# Altium PCB waffling80_classyTKL-NMB.PcbDoc (part 2 of 3)
Units mm, origin at the board's own origin, x right, y up, seen from the top; angles counter-clockwise.
Board outline 346.59 x 122.85 mm, 2 copper layers (Component Side, Bottom Layer), stack 1.171 mm thick; 212 components, 134 nets, 861 pads, 195 vias.
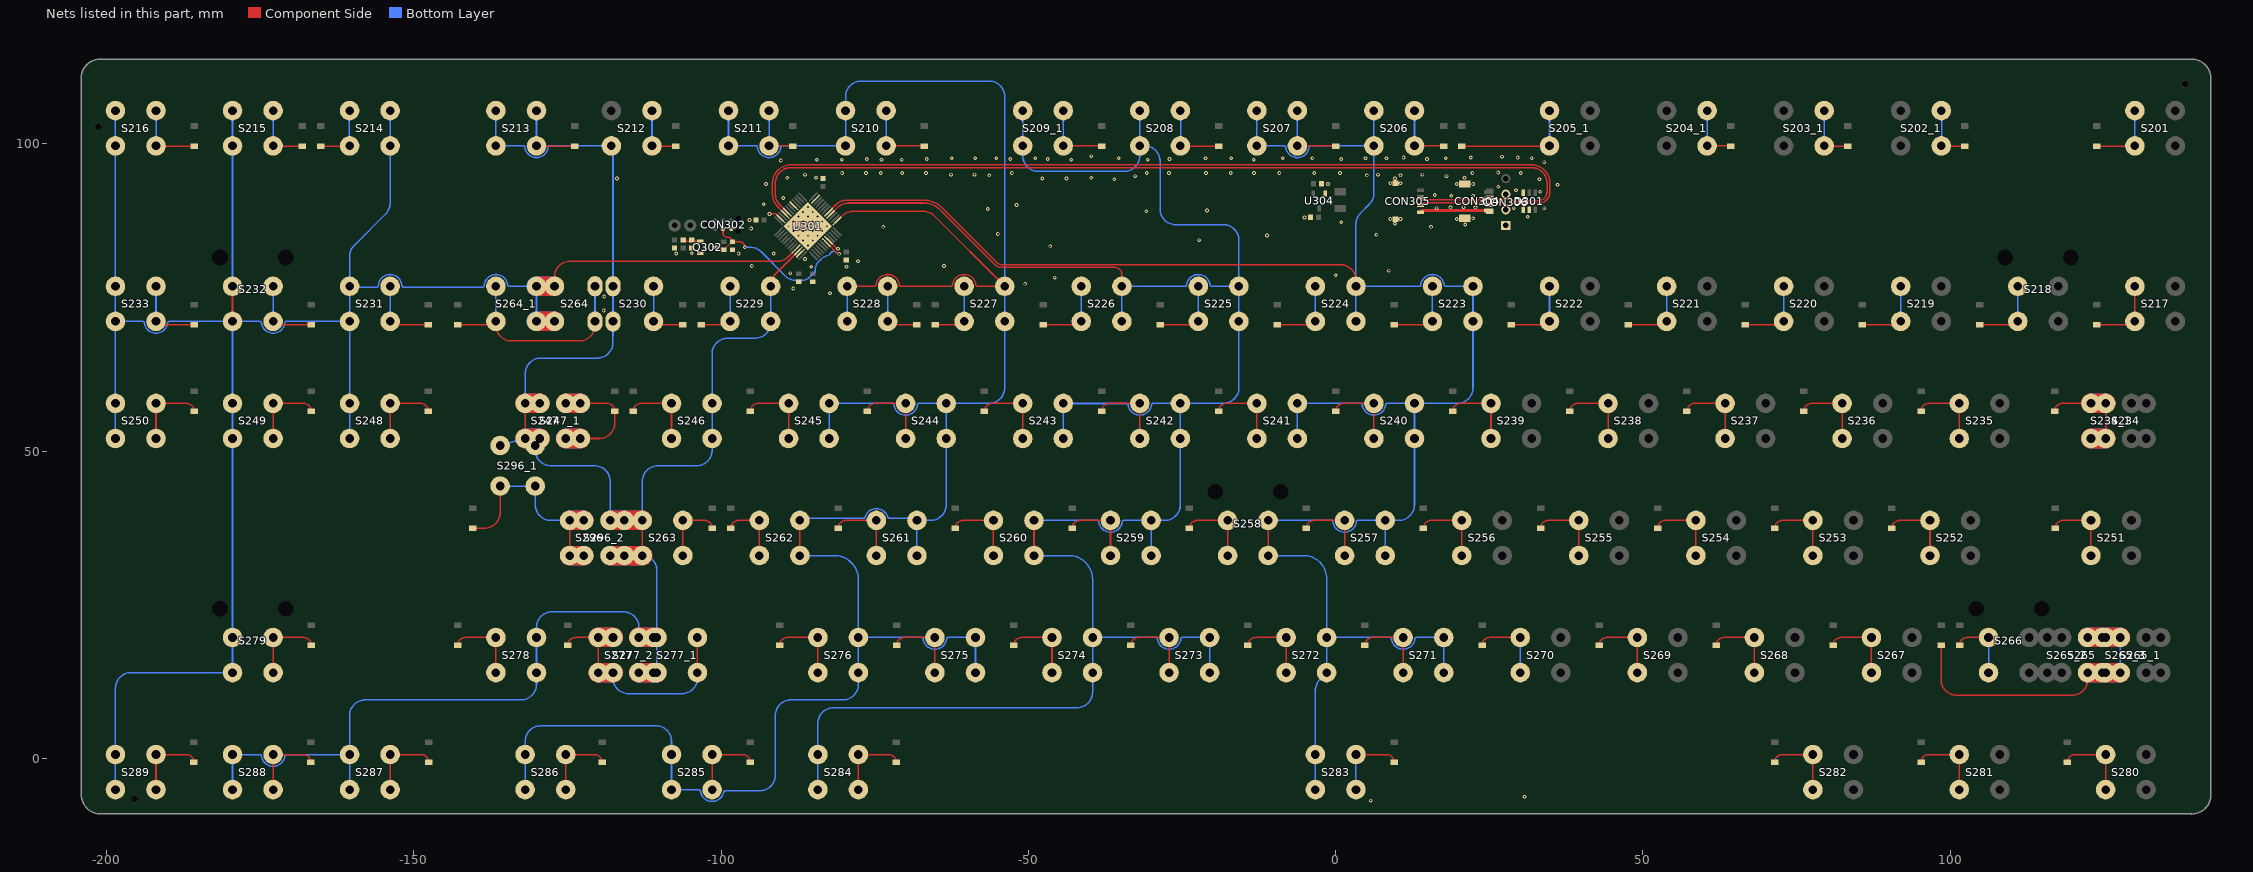
[diagram p2: the nets of this part, all layers, seen from the top]

## Via types
v1: diameter 0.6, hole 0.3, Component Side to Bottom Layer, tented both sides, 170 vias
v2: diameter 0.6, hole 0.3, Component Side to Bottom Layer, tented bottom, 25 vias

## Nets (pads, with @x,y where several pads share a name; then routed paths per layer and width w, separated by ;. In a path a pad name is that pad's centre, name@x,y a point inside that pad or via, vN(x,y) a via of type N, cw(c..) or ccw(c..) an arc to the next point about the centre after c; other vN are vias at no path point) (continued)
col4: S206.2 S207.2 S223.2 S224.2 S240.2 S241.2 S257.2 S258.2 S271.2 S272.2 S283.2 U301.17 | length 360.7
  Component Side w0.254: U301.17@-82.36,89.068 -81.331,90.097 cw(c-79.535,88.301) -79.535,90.841 -67.088,90.841 cw(c-67.088,86.485) -65.602,90.58 cw(c-67.088,86.485) -64.004,89.562 ; -64.004,89.562 cw(c-67.088,86.485) -64.002,89.56 -63.614,89.171 cw(c-63.932,88.848) -63.612,89.17 cw(c-63.932,88.848) -63.611,89.169 -63.525,89.083 -63.509,89.067 -61.045,86.602 -57.596,83.153 -55.711,81.269 -55.148,80.706 ; -55.147,80.705 ccw(c-54.31,81.534) -54.31,80.356 0.76,80.356 cw(c0.76,77.816) 3.3,77.816 S224.2@3.3,76.84 ; S258.2@-10.988,33.02 S258.2@-10.988,38.74
  Bottom Layer w0.254: S207.2@-12.825,105.414 S207.2@-12.825,99.694 -8.38,99.694 cw(c-8.381,99.44) -8.129,99.47 ccw(c-6.225,99.694) -4.321,99.47 cw(c-4.069,99.44) -4.07,99.694 S206.2@6.225,99.694 ; S258.2@-10.988,33.02 -5.224,33.02 cw(c-5.224,29.258) -1.463,29.258 S272.2@-1.463,19.69 ; S258.2@-10.988,38.74 -0.693,38.74 cw(c-0.694,38.486) -0.442,38.516 ccw(c1.462,38.74) 3.366,38.517 cw(c3.618,38.486) 3.617,38.74 S257.2@8.062,38.74 ; S241.2@-6.225,52.07 S241.2@-6.225,57.79 4.07,57.79 cw(c4.068,57.536) 4.321,57.566 ccw(c6.224,57.79) 8.128,57.566 cw(c8.381,57.536) 8.379,57.79 S240.2@12.825,57.79 ; S283.2@-3.302,-4.826 S283.2@-3.302,0.894 ; S283.2@-3.3,0.64 -3.3,11.081 cw(c-0.76,11.081) -2.556,12.877 S272.2@-1.463,13.97 S272.2@-1.463,19.69 ; S224.2@3.3,71.12 S224.2@3.3,76.84 ; S206.2@6.225,105.414 S206.2@6.225,99.694 ; S257.2@8.062,33.02 S257.2@8.062,38.74 ; 14.03,77.687 cw(c15.749,76.84) 17.653,77.063 ccw(c17.906,77.094) 17.904,76.84 S223.2@22.35,76.84 S223.2@22.35,71.12 22.35,60.33 cw(c19.81,60.33) 19.81,57.79 S240.2@12.825,57.79 ; 15.474,78.737 ccw(c15.749,76.84) 13.846,77.064 cw(c13.593,77.094) 13.595,76.84 S224.2@3.3,76.84 ; S271.2@17.587,13.97 S271.2@17.587,19.69 13.142,19.69 ccw(c13.143,19.436) 12.891,19.467 cw(c10.987,19.69) 9.083,19.466 ccw(c8.831,19.436) 8.832,19.69 S272.2@-1.463,19.69 ; S224.2@3.3,76.84 3.3,86.956 cw(c5.84,86.956) 4.043,88.752 5.481,90.19 ccw(c3.685,91.986) 6.225,91.986 S206.2@6.225,99.694 ; S257.2@8.062,38.74 10.285,38.74 ccw(c10.285,41.28) 12.825,41.28 S240.2@12.825,52.07 S240.2@12.825,57.79
col5: S208.2 S209_1.2 S225.2 S226.2 S242.2 S243.2 S259.2 S260.2 S273.2 S274.2 S284.2 U301.16 | length 379
  Component Side w0.254: U301.16@-82.007,88.714 -81.078,89.643 cw(c-79.282,87.847) -79.282,90.387 -67.088,90.387 cw(c-67.088,86.485) -65.775,90.16 cw(c-67.088,86.485) -64.326,89.241 ; -64.325,89.241 -63.932,88.848 -55.467,80.382 ccw(c-54.31,81.534) -54.31,79.902 -35.885,79.902 cw(c-35.885,78.817) -34.8,78.817 S226.2@-34.8,76.84 ; S260.2@-49.088,33.02 S260.2@-49.088,38.74
  Bottom Layer w0.254: S284.2@-84.263,-5.08 S284.2@-84.263,0.64 -84.263,5.715 cw(c-81.723,5.715) -81.723,8.255 -42.102,8.255 ccw(c-42.102,10.795) -39.562,10.795 S274.2@-39.562,13.97 S274.2@-39.562,19.69 ; S209_1.2@-50.925,105.415 S209_1.2@-50.925,99.694 -50.925,98.071 ccw(c-48.385,98.071) -48.385,95.531 -34.415,95.531 ccw(c-34.415,98.071) -31.875,98.071 S208.2@-31.875,99.694 ; S260.2@-49.088,33.02 -43.437,33.02 cw(c-43.437,29.145) -39.562,29.145 S274.2@-39.562,19.69 ; S260.2@-49.088,38.74 -38.793,38.74 cw(c-38.794,38.486) -38.542,38.516 ccw(c-36.638,38.74) -34.734,38.517 cw(c-34.482,38.486) -34.483,38.74 S259.2@-30.038,38.74 ; S243.2@-44.325,52.07 S243.2@-44.325,57.79 ccw(c-44.218,58.02) -44.219,57.766 -34.028,57.766 cw(c-34.029,57.512) -33.777,57.546 ccw(c-31.876,57.79) -29.972,57.566 cw(c-29.719,57.536) -29.721,57.79 S242.2@-25.275,57.79 ; S226.2@-34.8,71.12 S226.2@-34.8,76.84 -24.505,76.84 ccw(c-24.507,77.094) -24.254,77.064 cw(c-22.351,76.84) -23.511,78.366 ; S208.2@-31.875,105.414 S208.2@-31.875,99.694 ; S259.2@-30.038,33.02 S259.2@-30.038,38.74 ; -23.998,77.821 cw(c-22.351,76.84) -20.447,77.063 ccw(c-20.194,77.094) -20.196,76.84 S225.2@-15.75,76.84 ; S273.2@-20.513,13.97 S273.2@-20.513,19.69 -24.958,19.69 ccw(c-24.957,19.436) -25.209,19.467 cw(c-27.113,19.69) -29.017,19.466 ccw(c-29.269,19.436) -29.268,19.69 S274.2@-39.562,19.69 ; S208.2@-31.875,99.694 -31.115,99.694 cw(c-31.115,97.154) -28.575,97.154 -28.575,89.408 ccw(c-26.035,89.408) -26.035,86.868 -18.29,86.868 cw(c-18.29,84.328) -15.75,84.328 S225.2@-15.75,76.84 ; S259.2@-30.038,38.74 -27.815,38.74 ccw(c-27.815,41.28) -25.275,41.28 S242.2@-25.275,52.07 S242.2@-25.275,57.79 ; S242.2@-25.275,57.79 -18.29,57.79 ccw(c-18.29,60.33) -15.75,60.33 S225.2@-15.75,71.12 S225.2@-15.75,76.84
col6: S210.2 S211.2 S227.2 S228.2 S244.2 S245.2 S261.2 S262.2 S275.2 S276.2 S285.2 S286.2 U301.13 | length 418.9
  Component Side w0.254: S262.2@-87.188,33.355 S262.2@-87.188,38.74 ; U301.13@-80.946,87.654 -80.26,88.339 cw(c-78.605,86.684) -78.605,89.025 -67.088,89.025 cw(c-67.088,86.485) -65.292,88.281 S227.2@-53.85,76.84 -58.296,76.84 cw(c-58.294,77.094) -58.547,77.063 ccw(c-60.451,76.84) -61.064,78.656 ; S228.2@-79.501,76.84 -75.055,76.84 ccw(c-75.057,77.094) -74.804,77.064 cw(c-72.9,76.84) -71.525,78.175 ; -72.423,78.696 cw(c-72.9,76.84) -70.997,77.063 ccw(c-70.744,77.094) -70.746,76.84 -62.605,76.84 ccw(c-62.607,77.094) -62.354,77.064 cw(c-60.451,76.84) -59.986,78.7
  Bottom Layer w0.254: S286.2@-131.888,-5.08 S286.2@-131.888,0.64 -131.888,2.794 cw(c-129.348,2.794) -129.348,5.334 -110.615,5.334 cw(c-110.615,2.794) -108.075,2.794 S285.2@-108.075,0.64 S285.2@-108.075,-5.08 -103.63,-5.08 cw(c-103.631,-5.334) -103.379,-5.304 ccw(c-101.475,-5.08) -99.596,-5.462 ; -100.117,-6.433 ccw(c-101.475,-5.08) -99.596,-5.462 ; S211.2@-98.807,105.414 S211.2@-98.807,99.694 -94.124,99.694 ccw(c-92.207,99.694) -91.443,97.936 ccw(c-92.207,99.694) -90.29,99.694 S210.2@-79.757,99.694 S210.2@-79.757,105.414 -79.757,107.696 cw(c-77.217,107.696) -77.217,110.236 -56.39,110.236 cw(c-56.39,107.696) -53.85,107.696 S227.2@-53.85,76.84 S227.2@-53.85,71.12 -53.85,60.33 cw(c-56.39,60.33) -56.39,57.79 S244.2@-63.375,57.79 ; S262.2@-87.188,33.02 -81.588,33.02 cw(c-81.588,29.095) -77.663,29.095 S276.2@-77.663,19.69 ; S262.2@-87.188,38.74 cw(c-86.28,37.832) -86.28,39.116 -76.814,39.116 ccw(c-76.816,39.37) -76.573,39.295 cw(c-74.738,38.74) -72.903,39.295 ccw(c-72.66,39.37) -72.662,39.116 -68.619,39.116 cw(c-68.619,38.862) -68.44,39.042 S261.2@-68.138,38.74 ; S245.2@-82.425,52.07 S245.2@-82.425,57.79 -72.13,57.79 cw(c-72.132,57.536) -71.879,57.566 ccw(c-69.976,57.79) -68.072,57.567 cw(c-67.819,57.536) -67.821,57.79 S244.2@-63.375,57.79 ; S228.2@-79.501,71.12 S228.2@-79.501,76.84 ; S261.2@-68.138,33.02 S261.2@-68.138,38.74 ; S275.2@-58.613,13.97 S275.2@-58.613,19.69 -63.058,19.69 ccw(c-63.057,19.436) -63.309,19.467 cw(c-65.213,19.69) -67.117,19.466 ccw(c-67.369,19.436) -67.368,19.69 S276.2@-77.663,19.69 ; -99.596,-5.462 cw(c-99.348,-5.514) -99.349,-5.26 -93.726,-5.26 ccw(c-93.726,-2.72) -91.186,-2.72 -91.186,6.985 cw(c-88.646,6.985) -88.646,9.525 -80.203,9.525 ccw(c-80.203,12.065) -77.663,12.065 S276.2@-77.663,13.97 S276.2@-77.663,19.69 ; S261.2@-68.138,38.74 -65.915,38.74 ccw(c-65.915,41.28) -63.375,41.28 S244.2@-63.375,52.07 S244.2@-63.375,57.79
col7: S212.2@-117.857,99.694 S213.2 S229.2 S230.2 S246.2 S247.2 S247_1.2 S263.2 S277.2 S277_1.2 S277_2.2 S278.2 S287.2 S288.2 S296.2 S296_1.2 S296_2.2 U301.46 | length 346.7
  Component Side w0.254: S247.2@-131.888,52.07 S247.2@-131.888,57.79 ; S296.2@-118.062,38.106 S296.2@-118.062,38.74 ; S263.2@-112.838,33.02 S263.2@-112.838,38.74 ; S229.2@-91.95,76.84 -91.95,77.011 cw(c-89.41,77.011) -91.207,78.807 U301.46@-87.628,82.386
  Component Side w3.18: S247.2@-131.888,52.07 S247_1.2@-129.506,52.069 ; S247.2@-131.888,57.79 S247_1.2@-129.506,57.79 ; S296.2@-118.062,38.74 S296_2.2@-115.763,38.74 S263.2@-112.838,38.74 ; S296.2@-118.021,33.02 S296_2.2@-115.763,33.02 S263.2@-112.838,33.02 S263.2@-112.797,33.02 ; S277.2@-113.382,13.97 S277_2.2@-111,13.97 S277_1.2@-110.457,13.97 ; S277.2@-113.382,19.69 S277_2.2@-111,19.69 S277_1.2@-110.457,19.69
  Bottom Layer w0.254: S288.2@-179.513,-5.08 S288.2@-179.513,0.64 -175.067,0.64 cw(c-175.069,0.386) -174.816,0.416 ccw(c-172.912,0.64) -171.009,0.417 cw(c-170.756,0.386) -170.758,0.64 S287.2@-160.463,0.64 ; S287.2@-160.463,-5.08 S287.2@-160.463,0.64 ; S213.2@-136.65,105.414 S213.2@-136.65,99.694 -132.205,99.694 cw(c-132.206,99.44) -131.954,99.47 ccw(c-130.05,99.694) -128.146,99.47 cw(c-127.894,99.44) -127.895,99.694 S212.2@-117.857,99.694 cw(c-118.476,99.075) -117.601,99.075 S230.2@-117.601,76.84 S230.2@-117.601,71.12 -117.601,68.678 cw(c-119.604,68.678) -117.621,68.39 -117.621,67.691 cw(c-120.161,67.691) -120.161,65.151 -129.348,65.151 ccw(c-129.348,62.611) -131.888,62.611 S247.2@-131.888,57.79 ; S296_1.2@-135.972,50.93 S247.2@-131.888,52.07 ; S296_1.2@-130.252,50.93 -130.252,50.165 ccw(c-127.712,50.165) -127.712,47.625 -120.602,47.625 cw(c-120.602,45.085) -118.062,45.085 S296.2@-118.062,38.74 ; S277.2@-112.838,20.234 cw(c-113.382,20.234) S277.2@-113.382,19.69 -113.382,21.336 ccw(c-115.922,21.336) -115.922,23.876 -127.51,23.876 ccw(c-127.51,21.336) -130.05,21.336 S278.2@-130.05,19.69 S278.2@-130.05,13.97 -130.05,12.065 cw(c-132.59,12.065) -132.59,9.525 -157.923,9.525 ccw(c-157.923,6.985) -160.463,6.985 S287.2@-160.463,0.64 ; S263.2@-112.838,33.02 cw(c-112.838,30.639) -110.457,30.639 S277_1.2@-110.457,19.69 S277_1.2@-110.457,13.97 ; S263.2@-112.838,38.74 -112.838,45.085 cw(c-110.298,45.085) -110.298,47.625 -104.015,47.625 ccw(c-104.015,50.165) -101.475,50.165 S246.2@-101.475,52.07 S246.2@-101.475,57.79 -101.475,65.851 cw(c-98.935,65.851) -98.935,68.391 -94.49,68.391 ccw(c-94.49,70.931) -91.95,70.931 S229.2@-91.95,71.12 S229.2@-91.95,76.84
  Bottom Layer w3.18: S247.2@-131.805,52.069 S247_1.2@-129.527,52.069 ; S247.2@-131.785,57.79 S247_1.2@-129.506,57.79 ; S296.2@-118.062,33.02 S263.2@-112.838,33.02 ; S296.2@-118.041,38.74 S263.2@-112.838,38.74 ; S277.2@-113.382,13.97 S277_2.2@-111,13.97 S277_1.2@-110.457,13.97 ; S277.2@-113.382,19.69 S277_2.2@-111,19.69 S277_1.2@-110.457,19.69
col8: S214.2 S215.2 S216.2 S231.2 S232.2 S233.2 S248.2 S249.2 S250.2 S264.2 S264_1.2 S279.2 S289.2 U301.45 | length 378
  Component Side w0.254: S232.2@-179.513,71.12 S232.2@-179.513,76.84 ; S264.2@-127.126,76.84 -127.126,78.359 cw(c-124.586,78.359) -124.586,80.899 -90.874,80.899 ccw(c-90.874,83.439) -89.078,81.643 U301.45@-87.982,82.739
  Component Side w3.18: S264_1.2@-129.507,71.12 S264.2@-127.126,71.12 ; S264_1.2@-129.507,76.84 S264.2@-127.126,76.84
  Bottom Layer w0.254: S289.2@-198.563,-5.08 S289.2@-198.563,0.64 -198.563,11.43 cw(c-196.023,11.43) -196.023,13.97 S279.2@-179.513,13.97 S279.2@-179.513,19.69 S249.2@-179.513,52.07 S249.2@-179.513,57.79 S232.2@-179.513,71.12 ; S250.2@-198.563,52.07 S250.2@-198.563,57.79 S233.2@-198.563,71.12 ; S216.2@-198.562,99.694 S216.2@-198.562,105.414 ; S216.2@-198.563,100.652 S233.2@-198.563,76.84 S233.2@-198.563,71.12 ; S232.2@-179.513,76.84 S215.2@-179.513,100.652 ; S215.2@-179.512,99.694 S215.2@-179.512,105.414 ; S248.2@-160.463,52.07 S248.2@-160.463,57.79 S231.2@-160.463,71.12 ; -153.891,78.757 cw(c-153.862,76.84) -151.948,76.946 ccw(c-151.695,76.962) -151.696,76.708 -138.817,76.708 ccw(c-138.819,76.962) -138.565,76.947 cw(c-136.651,76.84) -138.015,78.187 ; S214.2@-153.862,99.876 S214.2@-153.862,105.596 ; S214.2@-153.862,100.652 -153.862,90.395 cw(c-156.402,90.395) -154.606,88.599 -159.719,83.486 ccw(c-157.923,81.69) -160.463,81.69 S231.2@-160.463,76.84 ; -153.211,78.643 ccw(c-153.862,76.84) -155.777,76.947 cw(c-156.03,76.962) -156.029,76.708 -160.241,76.708 cw(c-160.24,76.962) S231.2@-160.463,76.84 ; -138.423,77.572 cw(c-136.651,76.84) -134.747,77.063 ccw(c-134.495,77.094) -134.496,76.84 S264_1.2@-130.051,76.84 S264_1.2@-130.051,71.12 ; S233.2@-198.563,71.12 -194.117,71.12 cw(c-194.119,70.866) -193.866,70.896 ccw(c-191.962,71.12) -190.059,70.897 cw(c-189.806,70.866) -189.808,71.12 S232.2@-179.513,71.12 ; S232.2@-179.513,71.12 -175.067,71.12 cw(c-175.069,70.866) -174.816,70.896 ccw(c-172.912,71.12) -171.009,70.897 cw(c-170.756,70.866) -170.758,71.12 S231.2@-160.463,71.12 ; S231.2@-160.463,71.12 S231.2@-160.463,76.84
  Bottom Layer w3.18: S264_1.2@-130.051,71.12 S264.2@-127.126,71.12 ; S264_1.2@-130.051,76.84 S264.2@-127.126,76.84
D_N: CON304.2 CON305.2 CON306.2 D301.6 U301.32 | length 159.5
  Component Side w0.254: U301.32@-89.396,89.068 -89.408,89.068 -89.838,89.498 -89.856,89.498 -90.451,90.093 cw(c-88.655,91.889) -91.195,91.889 -91.195,93.599 cw(c-88.655,93.599) -88.655,96.139 31.865,96.139 cw(c31.865,93.599) 34.405,93.599 34.405,92.202 cw(c32.982,92.202) 32.982,90.78 30.515,90.78 ; CON305.2@13.81,91.278 ccw(c14.181,91.278) 14.181,90.907 CON304.2@24.609,90.907 ; CON304.2@24.881,91.178 cw(c24.609,91.178) CON304.2@24.609,90.907 ; D301.6@30.546,92.053 30.546,90.811 cw(c30.515,90.811) 30.515,90.78 ; CON304.2@24.609,90.907 26.777,90.907 ccw(c26.777,91.821) CON306.2@27.691,91.821 ccw(c28.732,91.821) 28.732,90.78 30.515,90.78
D_P: CON304.3 CON305.3 CON306.3 D301.1 U301.33 | length 162
  Component Side w0.254: U301.33@-89.75,88.714 -89.749,88.727 -90.179,89.156 -90.179,89.174 -90.776,89.771 cw(c-88.659,91.888) -91.652,91.888 -91.652,93.599 cw(c-88.655,93.599) -88.655,96.596 31.865,96.596 cw(c31.865,93.599) 34.862,93.599 34.862,92.202 cw(c32.982,92.202) 32.982,90.322 30.446,90.322 ; CON305.3@13.81,90.078 cw(c14.181,90.078) 14.181,90.449 CON304.3@24.609,90.449 ; CON304.3@24.881,90.178 ccw(c24.609,90.178) CON304.3@24.609,90.449 ; D301.1@30.546,89.303 30.546,90.222 ccw(c30.446,90.222) 30.446,90.322 ; CON304.3@24.609,90.449 26.523,90.449 cw(c26.523,89.281) CON306.3@27.691,89.281 cw(c28.732,89.281) 28.732,90.322 30.446,90.322
GND: C301.1 C302.1 C303.1 C304.1 C305.1 C307.1 C308.1 C310.2 CON302.5 CON304.4 CON304.5 CON305.4 CON305.5 CON306.4 D301.2 Q302.2 R304.2 R305.2 U301.8 U301.23 U301.35 U301.47 U304.1 | length 28.2
  Component Side w0.254: v1(-92.131,88.606) -91.068,88.606 -90.469,88.007 U301.35@-90.457,88.007 ; U301.8@-82.36,84.154 -81.22,83.014 -81.041,83.014 v1(-80.975,82.947)
  Component Side w0.5: CON305.4@13.81,88.878 cw(c14.11,88.878) 14.11,89.178 CON304.4@24.881,89.178
  Bottom Layer w0.254: v2(-86.656,84.277) v2(-84.322,86.611) ; v2(-86.656,88.944) v2(-84.322,86.611) ; v2@-85.878,89.722 v2(-83.545,87.389) ; v2(-83.545,85.833) v2(-84.322,86.611) ; v2(-82.767,86.611) v2(-83.545,87.389) ; v2(-84.322,86.611) v2(-83.545,87.389)
  other v1: 5.715,-6.858 30.734,-6.223 -119.126,72.898 -118.999,75.184 -82.296,75.692 -88.25,76.469 -50.531,77.231 -45.705,78.247 0.015,78.628 -88.758,78.973 8.651,79.39 -85.344,80.01 -79.614,80.025 -94.996,80.137 -63.739,80.152 -77.724,80.899 -86.36,81.28 -107.315,82.169 -97.155,82.169 -91.44,82.169 -104.776,82.21 -102.616,82.804 -46.467,83.327 -22.21,84.343 -11.161,85.105 6.619,85.232 -54.976,85.359 -95.123,86.233 -73.645,86.502 15.509,86.502 21.097,86.883 9.667,87.01 0.904,87.264 -95.377,87.63 8.905,87.772 10.556,87.772 19.7,87.772 22.367,87.899 -5.065,88.026 31.257,88.153 -30.846,89.042 -20.94,89.169 -56.627,89.423 16.398,89.55 28.976,89.551 33.924,89.55 18.684,89.677 22.748,89.677 20.81,89.718 -51.928,90.058 -93.076,90.185 -2.921,91.186 -89.901,91.201 18.811,91.582 22.367,91.582 16.129,91.694 33.311,92.217 29.352,92.471 26.436,93.028 36.083,93.36 -92.695,93.487 -1.255,93.487 19.7,93.487 22.367,93.487 8.905,93.614 10.556,93.614 -36.053,94.249 33.162,94.249 -116.952,94.376 -47.737,94.376 -43.8,94.376 9.667,94.376 -39.8,94.488 -89.266,94.503 -84.567,94.503 20.97,94.503 -32.624,94.757 18.049,94.757 -56.373,94.884 5.074,94.889 10.556,94.884 -86.345,95.011 -62.596,95.011 -58.786,95.011 6.873,95.011 14.112,95.011 -80.312,95.264 -76.433,95.264 -74.038,95.264 -70.527,95.264 -66.66,95.264 -52.697,95.264 -30.732,95.264 -27.11,95.264 -21.103,95.264 -17.069,95.264 -13.28,95.264 -9.168,95.264 -3.496,95.264 0.717,95.264 22.24,95.265 30.115,95.264 26.436,95.368 33.924,97.043 -90.282,97.297 -84.44,97.424 -80.376,97.424 -73.899,97.424 -70.597,97.424 -43.038,97.424 -30.592,97.424 -13.32,97.424 -76.312,97.551 -66.533,97.551 -52.944,97.551 -46.848,97.551 -27.036,97.551 0.904,97.551 14.874,97.551 -62.469,97.678 -58.659,97.678 -55.23,97.678 -48.88,97.678 -35.291,97.678 -21.194,97.678 -17.003,97.678 -8.621,97.678 -3.795,97.678 4.841,97.678 8.27,97.678 17.922,97.678 31.892,97.678 11.064,97.805 21.986,97.805 29.606,97.805 27.066,97.932 -39.783,98.022
  other v2: -85.878,83.499 -85.1,84.277 -87.434,85.055 -85.878,85.055 -84.322,85.055 -88.212,85.833 -86.656,85.833 -85.1,85.833 -88.989,86.611 -87.434,86.611 -85.878,86.611 -88.212,87.389 -86.656,87.389 -85.1,87.389 -87.434,88.166 -85.878,88.166 -84.322,88.166 -85.1,88.944 -85.878,89.722
LED: U301.29
NetC309_2: C309.2 Q302.1 R305.1 | length 2.8
  Component Side w0.254: C309.2@-106.172,84.343 -105.874,84.163 -103.772,84.163 Q302.1@-103.399,84.135
NetD201_1: D201.1 S201.1 | length 12
  Component Side w0.254: D201.1@123.825,99.65 130.006,99.65 ccw(c130.006,99.694) S201.1@130.05,99.694
  Bottom Layer w0.254: S201.1@130.006,99.65 S201.1@130.006,105.37
NetD202_1: D202.1 S202_1.1 | length 9.6
  Component Side w0.254: S202_1.1@98.55,99.694 ccw(c98.595,99.694) 98.595,99.65 D202.1@102.362,99.65
  Bottom Layer w0.254: S202_1.1@98.595,99.65 S202_1.1@98.595,105.37
NetD203_1: D203.1 S203_1.1 | length 9.6
  Component Side w0.254: S203_1.1@79.5,99.694 ccw(c79.545,99.694) 79.545,99.65 D203.1@83.312,99.65
  Bottom Layer w0.254: S203_1.1@79.5,99.694 S203_1.1@79.5,105.415
NetD204_1: D204.1 S204_1.1 | length 9.6
  Component Side w0.254: S204_1.1@60.45,99.694 64.217,99.694 cw(c64.217,99.65) D204.1@64.262,99.65
  Bottom Layer w0.254: S204_1.1@60.45,99.694 S204_1.1@60.45,105.415
NetD205_1: D205.1 S205_1.1 | length 20
  Component Side w0.254: D205.1@20.549,99.65 34.755,99.65 ccw(c34.755,99.694) S205_1.1@34.8,99.694
  Bottom Layer w0.254: S205_1.1@34.8,99.694 S205_1.1@34.8,105.415
NetD206_1: D206.1 S206.1 | length 10.5
  Component Side w0.254: S206.1@12.825,99.694 17.505,99.694 cw(c17.505,99.65) D206.1@17.549,99.65
  Bottom Layer w0.254: S206.1@12.825,99.694 S206.1@12.825,105.414
NetD207_1: D207.1 S207.1 | length 12
  Component Side w0.254: S207.1@-6.225,99.694 -0.045,99.694 cw(c-0.045,99.65) D207.1@0,99.65
  Bottom Layer w0.254: S207.1@-6.225,99.694 S207.1@-6.225,105.414
NetD208_1: D208.1 S208.1 | length 12
  Component Side w0.254: S208.1@-25.275,99.694 ccw(c-25.231,99.694) -25.231,99.65 D208.1@-19.05,99.65
  Bottom Layer w0.254: S208.1@-25.231,99.65 S208.1@-25.231,105.37
NetD209_1: D209.1 S209_1.1 | length 12
  Component Side w0.254: S209_1.1@-44.325,99.694 -38.145,99.694 cw(c-38.145,99.65) D209.1@-38.1,99.65
  Bottom Layer w0.254: S209_1.1@-44.325,99.694 S209_1.1@-44.325,105.415
NetD210_1: D210.1 S210.1 | length 12
  Component Side w0.254: S210.1@-73.157,99.694 -66.977,99.694 cw(c-66.977,99.65) D210.1@-66.932,99.65
  Bottom Layer w0.254: S210.1@-73.157,99.694 S210.1@-73.157,105.414
NetD211_1: D211.1 S211.1 | length 9.6
  Component Side w0.254: S211.1@-92.207,99.694 -88.375,99.694 cw(c-88.375,99.65) D211.1@-88.331,99.65
  Bottom Layer w0.254: S211.1@-92.207,99.694 S211.1@-92.207,105.414
NetD212_1: D212.1 S212.1 | length 9.6
  Component Side w0.254: S212.1@-111.257,99.694 ccw(c-111.213,99.694) -111.213,99.65 D212.1@-107.381,99.65
  Bottom Layer w0.254: S212.1@-111.257,99.694 S212.1@-111.257,105.414
NetD213_1: D213.1 S213.1 | length 12
  Component Side w0.254: S213.1@-130.05,99.694 ccw(c-130.006,99.694) -130.006,99.65 D213.1@-123.825,99.65
  Bottom Layer w0.254: S213.1@-130.05,99.694 S213.1@-130.05,105.414
NetD214_1: D214.1 S214.1 | length 10.5
  Component Side w0.254: D214.1@-165.188,99.65 -160.506,99.65 ccw(c-160.506,99.694) S214.1@-160.462,99.694
  Bottom Layer w0.254: S214.1@-160.506,99.65 S214.1@-160.506,105.37
NetD215_1: D215.1 S215.1 | length 10.5
  Component Side w0.254: S215.1@-172.912,99.694 ccw(c-172.868,99.694) -172.868,99.65 D215.1@-168.188,99.65
  Bottom Layer w0.254: S215.1@-172.868,99.694 S215.1@-172.868,105.414
NetD216_1: D216.1 S216.1 | length 12
  Component Side w0.254: S216.1@-191.962,99.694 ccw(c-191.918,99.694) -191.918,99.65 D216.1@-185.737,99.65
  Bottom Layer w0.254: S216.1@-191.918,99.65 S216.1@-191.918,105.37
NetD217_1: D217.1 S217.1 | length 12.7
  Component Side w0.254: D217.1@123.825,70.565 129.494,70.565 ccw(c129.494,71.12) S217.1@130.049,71.12 S217.1@130.049,76.84 cw(c129.774,76.84) S217.1@129.774,76.565
NetD218_1: D218.1 S218.1 | length 13.9
  Component Side w0.254: D218.1@104.775,70.565 110.444,70.565 ccw(c110.444,71.12) S218.1@110.999,71.12 ; S218.1@110.724,76.565 ccw(c110.724,76.84) S218.1@110.999,76.84 cw(c110.999,76.46) 111.379,76.46 111.379,76.454 ccw(c111.379,76.074) S218.1@110.999,76.074
  Bottom Layer w0.254: S218.1@110.999,71.12 S218.1@110.999,76.84
NetD219_1: D219.1 S219.1 | length 12.7
  Component Side w0.254: D219.1@85.725,70.565 91.394,70.565 ccw(c91.394,71.12) S219.1@91.949,71.12 ; S219.1@91.674,76.565 ccw(c91.674,76.84) S219.1@91.949,76.84
  Bottom Layer w0.254: S219.1@91.949,71.12 S219.1@91.949,76.84
NetD220_1: D220.1 S220.1 | length 12.7
  Component Side w0.254: D220.1@66.675,70.565 72.344,70.565 ccw(c72.344,71.12) S220.1@72.899,71.12 ; S220.1@72.624,76.565 ccw(c72.624,76.84) S220.1@72.899,76.84
  Bottom Layer w0.254: S220.1@72.899,71.12 S220.1@72.899,76.84
NetD221_1: D221.1 S221.1 | length 12.7
  Component Side w0.254: D221.1@47.625,70.565 53.294,70.565 ccw(c53.294,71.12) S221.1@53.849,71.12 ; S221.1@53.574,76.565 ccw(c53.574,76.84) S221.1@53.849,76.84
  Bottom Layer w0.254: S221.1@53.849,71.12 S221.1@53.849,76.84
NetD222_1: D222.1 S222.1 | length 12.7
  Component Side w0.254: D222.1@28.575,70.565 34.244,70.565 ccw(c34.244,71.12) S222.1@34.799,71.12 ; S222.1@34.524,76.565 ccw(c34.524,76.84) S222.1@34.799,76.84
  Bottom Layer w0.254: S222.1@34.799,71.12 S222.1@34.799,76.84
NetD223_1: D223.1 S223.1 | length 12.7
  Component Side w0.254: D223.1@9.525,70.565 15.194,70.565 ccw(c15.194,71.12) S223.1@15.749,71.12 ; S223.1@15.474,76.565 ccw(c15.474,76.84) S223.1@15.749,76.84
  Bottom Layer w0.254: S223.1@15.749,71.12 S223.1@15.749,76.84
NetD224_1: D224.1 S224.1 | length 12.7
  Component Side w0.254: D224.1@-9.525,70.565 -3.856,70.565 ccw(c-3.856,71.12) S224.1@-3.301,71.12 ; S224.1@-3.576,76.565 ccw(c-3.576,76.84) S224.1@-3.301,76.84
  Bottom Layer w0.254: S224.1@-3.301,71.12 S224.1@-3.301,76.84
NetD225_1: D225.1 S225.1 | length 12.7
  Component Side w0.254: D225.1@-28.575,70.565 -22.906,70.565 ccw(c-22.906,71.12) S225.1@-22.351,71.12 ; S225.1@-22.626,76.565 ccw(c-22.626,76.84) S225.1@-22.351,76.84
  Bottom Layer w0.254: S225.1@-22.351,71.12 S225.1@-22.351,76.84
NetD226_1: D226.1 S226.1 | length 12.5
  Component Side w0.254: D226.1@-47.625,70.565 -42.74,70.565 ccw(c-42.74,72.46) S226.1@-41.401,71.12 ; S226.1@-41.676,76.565 ccw(c-41.676,76.84) S226.1@-41.401,76.84
  Bottom Layer w0.254: S226.1@-41.401,71.12 S226.1@-41.401,76.84
NetD227_1: D227.1 S227.1 | length 11
  Component Side w0.254: D227.1@-65.175,70.565 -61.79,70.565 ccw(c-61.79,72.46) S227.1@-60.451,71.12 ; S227.1@-60.726,76.565 ccw(c-60.726,76.84) S227.1@-60.451,76.84
  Bottom Layer w0.254: S227.1@-60.451,71.12 S227.1@-60.451,76.84
NetD228_1: D228.1 S228.1 | length 11
  Component Side w0.254: S228.1@-72.9,71.12 ccw(c-71.561,72.46) -71.561,70.565 D228.1@-68.175,70.565 ; S228.1@-72.9,76.84 ccw(c-72.625,76.84) S228.1@-72.625,76.565
  Bottom Layer w0.254: S228.1@-72.9,71.12 S228.1@-72.9,76.84
NetD229_1: D229.1 S229.1 | length 11.2
  Component Side w0.254: D229.1@-103.275,70.565 -99.106,70.565 ccw(c-99.106,71.12) S229.1@-98.551,71.12 ; S229.1@-98.826,76.565 ccw(c-98.826,76.84) S229.1@-98.551,76.84
  Bottom Layer w0.254: S229.1@-98.551,71.12 S229.1@-98.551,76.84
NetD230_1: D230.1 S230.1 | length 11.2
  Component Side w0.254: S230.1@-111,71.12 ccw(c-110.445,71.12) -110.445,70.565 D230.1@-106.275,70.565 ; S230.1@-111,76.84 ccw(c-110.725,76.84) S230.1@-110.725,76.565
  Bottom Layer w0.254: S230.1@-111,71.12 S230.1@-111,76.84
NetD231_1: D231.1 S231.1 | length 12.7
  Component Side w0.254: S231.1@-153.862,71.12 ccw(c-153.307,71.12) -153.307,70.565 D231.1@-147.637,70.565 ; S231.1@-153.862,76.84 ccw(c-153.587,76.84) S231.1@-153.587,76.565
  Bottom Layer w0.254: S231.1@-153.862,71.12 S231.1@-153.862,76.84
NetD232_1: D232.1 S232.1 | length 12.7
  Component Side w0.254: S232.1@-172.912,71.12 ccw(c-172.357,71.12) -172.357,70.565 D232.1@-166.687,70.565 ; S232.1@-172.912,76.84 ccw(c-172.637,76.84) S232.1@-172.637,76.565
  Bottom Layer w0.254: S232.1@-172.912,71.12 S232.1@-172.912,76.84
NetD233_1: D233.1 S233.1 | length 12.7
  Component Side w0.254: S233.1@-191.962,71.12 ccw(c-191.407,71.12) -191.407,70.565 D233.1@-185.737,70.565 ; S233.1@-191.962,76.84 ccw(c-191.687,76.84) S233.1@-191.687,76.565
  Bottom Layer w0.254: S233.1@-191.962,71.12 S233.1@-191.962,76.84
NetD234_1: D234.1 S234.1 S234_1.1 | length 24.1
  Component Side w0.254: D234.1@117,56.515 cw(c118.275,56.515) 118.275,57.79 S234_1.1@122.906,57.79 S234.1@125.287,57.79 S234.1@125.287,52.07
  Component Side w3.18: S234_1.1@122.906,52.07 S234.1@125.287,52.07 ; S234_1.1@122.906,57.79 S234.1@125.287,57.79
  Bottom Layer w3.18: S234_1.1@122.988,52.07 S234.1@125.267,52.07 ; S234_1.1@123.008,57.79 S234.1@125.287,57.79
NetD235_1: D235.1 S235.1 | length 12.7
  Component Side w0.254: D235.1@95.25,56.515 cw(c96.525,56.515) 96.525,57.79 S235.1@101.474,57.79 S235.1@101.474,52.07
NetD236_1: D236.1 S236.1 | length 12.7
  Component Side w0.254: D236.1@76.2,56.515 cw(c77.475,56.515) 77.475,57.79 S236.1@82.424,57.79 S236.1@82.424,52.07
NetD237_1: D237.1 S237.1 | length 12.7
  Component Side w0.254: D237.1@57.15,56.515 cw(c58.425,56.515) 58.425,57.79 S237.1@63.374,57.79 S237.1@63.374,52.07
NetD238_1: D238.1 S238.1 | length 12.7
  Component Side w0.254: D238.1@38.1,56.515 cw(c39.375,56.515) 39.375,57.79 S238.1@44.324,57.79 S238.1@44.324,52.07
NetD239_1: D239.1 S239.1 | length 12.7
  Component Side w0.254: D239.1@19.05,56.515 cw(c20.325,56.515) 20.325,57.79 S239.1@25.274,57.79 S239.1@25.274,52.07
NetD240_1: D240.1 S240.1 | length 12.7
  Component Side w0.254: D240.1@0,56.515 cw(c1.275,56.515) 1.275,57.79 S240.1@6.224,57.79 S240.1@6.224,52.07
NetD241_1: D241.1 S241.1 | length 12.7
  Component Side w0.254: D241.1@-19.05,56.515 cw(c-17.775,56.515) -17.775,57.79 S241.1@-12.826,57.79 S241.1@-12.826,52.07
NetD242_1: D242.1 S242.1 | length 12.7
  Component Side w0.254: D242.1@-38.1,56.515 cw(c-36.825,56.515) -36.825,57.79 S242.1@-31.876,57.79 S242.1@-31.876,52.07
NetD243_1: D243.1 S243.1 | length 12.7
  Component Side w0.254: D243.1@-57.15,56.515 cw(c-55.875,56.515) -55.875,57.79 S243.1@-50.926,57.79 S243.1@-50.926,52.07
NetD244_1: D244.1 S244.1 | length 12.7
  Component Side w0.254: D244.1@-76.2,56.515 cw(c-74.925,56.515) -74.925,57.79 S244.1@-69.976,57.79 S244.1@-69.976,52.07
NetD245_1: D245.1 S245.1 | length 12.7
  Component Side w0.254: D245.1@-95.25,56.515 cw(c-93.975,56.515) -93.975,57.79 S245.1@-89.026,57.79 S245.1@-89.026,52.07
NetD246_1: D246.1 S246.1 | length 12.7
  Component Side w0.254: D246.1@-114.3,56.515 cw(c-113.025,56.515) -113.025,57.79 S246.1@-108.076,57.79 S246.1@-108.076,52.07
NetD247_1: D247.1 S247.1 S247_1.1 | length 29.4
  Component Side w0.254: S247.1@-125.288,52.07 -119.84,52.07 ccw(c-119.84,54.61) -117.3,54.61 D247.1@-117.3,56.515 ccw(c-118.575,56.515) -118.575,57.79 S247.1@-125.288,57.79
  Component Side w3.18: S247.1@-125.288,52.07 S247_1.1@-122.906,52.069 ; S247.1@-125.288,57.79 S247_1.1@-122.906,57.79
  Bottom Layer w3.18: S247.1@-125.246,52.07 S247_1.1@-122.968,52.07 ; S247.1@-125.226,57.79 S247_1.1@-122.947,57.79
NetD248_1: D248.1 S248.1 | length 12.7
  Component Side w0.254: S248.1@-153.862,52.07 S248.1@-153.862,57.79 -148.912,57.79 cw(c-148.912,56.515) D248.1@-147.637,56.515
NetD249_1: D249.1 S249.1 | length 12.7
  Component Side w0.254: S249.1@-172.912,52.07 S249.1@-172.912,57.79 -167.962,57.79 cw(c-167.962,56.515) D249.1@-166.687,56.515
NetD250_1: D250.1 S250.1 | length 12.7
  Component Side w0.254: S250.1@-191.962,52.07 S250.1@-191.962,57.79 -187.012,57.79 cw(c-187.012,56.515) D250.1@-185.737,56.515
NetD251_1: D251.1 S251.1 | length 12.3
  Component Side w0.254: D251.1@117.1,37.465 cw(c118.375,37.465) 118.375,38.74 S251.1@122.906,38.74 S251.1@122.906,33.02
NetD252_1: D252.1 S252.1 | length 12.7
  Component Side w0.254: D252.1@90.487,37.465 cw(c91.762,37.465) 91.762,38.74 S252.1@96.712,38.74 S252.1@96.712,33.02
NetD253_1: D253.1 S253.1 | length 12.7
  Component Side w0.254: D253.1@71.437,37.465 cw(c72.712,37.465) 72.712,38.74 S253.1@77.662,38.74 S253.1@77.662,33.02
NetD254_1: D254.1 S254.1 | length 12.7
  Component Side w0.254: D254.1@52.387,37.465 cw(c53.662,37.465) 53.662,38.74 S254.1@58.612,38.74 S254.1@58.612,33.02
NetD255_1: D255.1 S255.1 | length 12.7
  Component Side w0.254: D255.1@33.337,37.465 cw(c34.612,37.465) 34.612,38.74 S255.1@39.562,38.74 S255.1@39.562,33.02
NetD256_1: D256.1 S256.1 | length 12.7
  Component Side w0.254: D256.1@14.287,37.465 cw(c15.562,37.465) 15.562,38.74 S256.1@20.512,38.74 S256.1@20.512,33.02
NetD257_1: D257.1 S257.1 | length 12.7
  Component Side w0.254: D257.1@-4.763,37.465 cw(c-3.488,37.465) -3.488,38.74 S257.1@1.462,38.74 S257.1@1.462,33.02
NetD258_1: D258.1 S258.1 | length 12.7
  Component Side w0.254: D258.1@-23.813,37.465 cw(c-22.538,37.465) -22.538,38.74 S258.1@-17.588,38.74 S258.1@-17.588,33.02
NetD259_1: D259.1 S259.1 | length 12.7
  Component Side w0.254: D259.1@-42.863,37.465 cw(c-41.588,37.465) -41.588,38.74 S259.1@-36.638,38.74 S259.1@-36.638,33.02
NetD260_1: D260.1 S260.1 | length 12.7
  Component Side w0.254: D260.1@-61.913,37.465 cw(c-60.638,37.465) -60.638,38.74 S260.1@-55.688,38.74 S260.1@-55.688,33.02
NetD261_1: D261.1 S261.1 | length 12.7
  Component Side w0.254: D261.1@-80.963,37.465 cw(c-79.688,37.465) -79.688,38.74 S261.1@-74.738,38.74 S261.1@-74.738,33.02
NetD262_1: D262.1 S262.1 | length 11.1
  Component Side w0.254: D262.1@-98.43,37.465 cw(c-97.155,37.465) -97.155,38.74 S262.1@-93.788,38.74 S262.1@-93.788,33.02
NetD263_1: D263.1 S263.1 | length 11.3
  Component Side w0.254: S263.1@-106.238,33.02 S263.1@-106.238,38.74 -102.705,38.74 cw(c-102.705,37.465) D263.1@-101.43,37.465
NetD264_1: D264.1 S264.1 S264_1.1 | length 38.7
  Component Side w0.254: D264.1@-142.875,70.565 -137.206,70.565 ccw(c-137.206,71.12) S264_1.1@-136.651,71.12 -136.651,70.485 ccw(c-134.111,70.485) -134.111,67.945 -123.065,67.945 ccw(c-123.065,70.485) -120.525,70.485 S264.1@-120.525,71.12 ; S264_1.1@-136.926,76.565 ccw(c-136.926,76.84) S264_1.1@-136.651,76.84
  Bottom Layer w0.254: S264_1.1@-136.651,71.12 S264_1.1@-136.651,76.84 ; S264.1@-120.525,71.12 S264.1@-120.525,76.84
NetD265_1: D265.1 S265.1 S265_1.1 S265_2.1 S265_3.1 | length 58.5
  Component Side w0.254: D265.1@98.515,18.415 98.515,12.827 ccw(c101.055,12.827) 101.055,10.287 119.825,10.287 ccw(c119.825,12.827) 122.364,12.827 S265_2.1@122.364,13.97 ; S265_3.1@124.743,19.406 S265.1@124.743,19.69
  Component Side w3.18: S265_2.1@122.364,13.97 S265.1@124.743,13.97 S265_3.1@125.287,13.97 S265_1.1@127.668,13.97 ; S265_2.1@122.364,19.69 S265.1@124.743,19.69 S265_3.1@125.287,19.69 S265_1.1@127.668,19.69
  Bottom Layer w0.254: S265_1.1@127.668,13.97 S265_1.1@127.668,19.69
  Bottom Layer w3.18: S265_2.1@122.364,13.97 S265_3.1@124.203,13.97 ; S265_2.1@122.364,19.69 S265_3.1@124.203,19.69 ; S265.1@124.743,19.69 S265_1.1@127.668,19.69 ; S265_3.1@125.83,13.97 S265_1.1@127.668,13.97
NetD266_1: D266.1 S266.1 | length 11.6
  Component Side w0.254: D266.1@101.515,18.415 cw(c102.79,18.415) 102.79,19.69 S266.1@106.239,19.69 cw(c105.964,19.69) S266.1@105.964,19.415
  Bottom Layer w0.254: S266.1@106.239,13.97 S266.1@106.239,19.69
NetD267_1: D267.1 S267.1 | length 12.7
  Component Side w0.254: D267.1@80.962,18.415 cw(c82.238,18.415) 82.238,19.69 S267.1@87.187,19.69 S267.1@87.187,13.97
NetD268_1: D268.1 S268.1 | length 12.7
  Component Side w0.254: D268.1@61.912,18.415 cw(c63.188,18.415) 63.188,19.69 S268.1@68.137,19.69 S268.1@68.137,13.97
NetD269_1: D269.1 S269.1 | length 12.7
  Component Side w0.254: D269.1@42.862,18.415 cw(c44.138,18.415) 44.138,19.69 S269.1@49.087,19.69 S269.1@49.087,13.97
NetD270_1: D270.1 S270.1 | length 13.4
  Component Side w0.254: D270.1@23.812,18.415 cw(c25.088,18.415) 25.088,19.69 S270.1@30.037,19.69 cw(c29.373,20.354) S270.1@29.373,19.415
  Bottom Layer w0.254: S270.1@30.037,13.97 S270.1@30.037,19.69
NetD271_1: D271.1 S271.1 | length 12.7
  Component Side w0.254: D271.1@4.763,18.415 cw(c6.038,18.415) 6.038,19.69 S271.1@10.987,19.69 S271.1@10.987,13.97
NetD272_1: D272.1 S272.1 | length 12.7
  Component Side w0.254: D272.1@-14.287,18.415 cw(c-13.012,18.415) -13.012,19.69 S272.1@-8.063,19.69 S272.1@-8.063,13.97
NetD273_1: D273.1 S273.1 | length 12.7
  Component Side w0.254: D273.1@-33.337,18.415 cw(c-32.062,18.415) -32.062,19.69 S273.1@-27.113,19.69 S273.1@-27.113,13.97
NetD274_1: D274.1 S274.1 | length 12.7
  Component Side w0.254: D274.1@-52.387,18.415 cw(c-51.112,18.415) -51.112,19.69 S274.1@-46.163,19.69 S274.1@-46.163,13.97
NetD275_1: D275.1 S275.1 | length 12.7
  Component Side w0.254: D275.1@-71.438,18.415 cw(c-70.162,18.415) -70.162,19.69 S275.1@-65.213,19.69 S275.1@-65.213,13.97
NetD276_1: D276.1 S276.1 | length 12.7
  Component Side w0.254: D276.1@-90.488,18.415 cw(c-89.213,18.415) -89.213,19.69 S276.1@-84.263,19.69 S276.1@-84.263,13.97
NetD277_1: D277.1 S277.1 S277_1.1 S277_2.1 | length 46.8
  Component Side w0.254: D277.1@-124.968,18.415 cw(c-123.693,18.415) -123.693,19.69 S277.1@-119.982,19.69 S277.1@-119.982,13.97 ; S277_1.1@-103.857,13.97 S277_1.1@-103.857,19.69 S277_1.1@-103.857,20.51
  Component Side w3.18: S277.1@-119.982,13.97 S277_2.1@-117.601,13.97 ; S277.1@-119.982,19.69 S277_2.1@-117.601,19.69
  Bottom Layer w0.254: S277.1@-119.982,13.081 S277.1@-119.982,13.97 ; S277_2.1@-117.601,13.97 -117.601,13.081 ccw(c-115.061,13.081) -115.061,10.541 -106.397,10.541 ccw(c-106.397,13.081) -103.857,13.081 S277_1.1@-103.857,13.97
  Bottom Layer w3.18: S277.1@-119.982,19.69 S277_2.1@-117.601,19.69 ; S277.1@-119.941,13.97 S277_2.1@-117.601,13.97
NetD278_1: D278.1 S278.1 | length 12.7
  Component Side w0.254: D278.1@-142.875,18.415 cw(c-141.6,18.415) -141.6,19.69 S278.1@-136.651,19.69 S278.1@-136.651,13.97
NetD279_1: D279.1 S279.1 | length 12.7
  Component Side w0.254: S279.1@-172.912,13.97 S279.1@-172.912,19.69 -167.962,19.69 cw(c-167.962,18.415) D279.1@-166.687,18.415
NetD280_1: D280.1 S280.2 | length 12.7
  Component Side w0.254: D280.1@119.062,-0.635 cw(c120.337,-0.635) 120.337,0.64 S280.2@125.287,0.64 S280.2@125.287,-5.08
NetD281_1: D281.1 S281.2 | length 12.7
  Component Side w0.254: D281.1@95.25,-0.635 cw(c96.525,-0.635) 96.525,0.64 S281.2@101.475,0.64 S281.2@101.475,-5.08
NetD282_1: D282.1 S282.2 | length 12.7
  Component Side w0.254: D282.1@71.437,-0.635 cw(c72.712,-0.635) 72.712,0.64 S282.2@77.662,0.64 S282.2@77.662,-5.08
NetD283_1: D283.1 S283.1 | length 12.7
  Component Side w0.254: S283.1@3.3,0.64 8.25,0.64 cw(c8.25,-0.635) D283.1@9.525,-0.635
  Bottom Layer w0.254: S283.1@3.3,-5.08 S283.1@3.3,0.64
NetD284_1: D284.1 S284.1 | length 12.6
  Component Side w0.254: S284.1@-77.662,-5.08 S284.1@-77.662,0.64 -72.77,0.64 cw(c-72.77,-0.635) D284.1@-71.495,-0.635
NetD285_1: D285.1 S285.1 | length 12.7
  Component Side w0.254: S285.1@-101.475,-5.08 S285.1@-101.475,0.64 -96.519,0.64 cw(c-96.519,-0.635) D285.1@-95.244,-0.635
NetD286_1: D286.1 S286.1 | length 12.4
  Component Side w0.254: S286.1@-125.287,-5.08 S286.1@-125.287,0.64 -120.649,0.64 cw(c-120.649,-0.635) D286.1@-119.374,-0.635
NetD287_1: D287.1 S287.1 | length 12.7
  Component Side w0.254: S287.1@-153.862,-5.08 S287.1@-153.862,0.64 -148.843,0.64 cw(c-148.843,-0.635) D287.1@-147.568,-0.635
NetD288_1: D288.1 S288.1 | length 12.6
  Component Side w0.254: S288.1@-172.912,-5.08 S288.1@-172.912,0.64 -168.02,0.64 cw(c-168.02,-0.635) D288.1@-166.745,-0.635
NetD289_1: D289.1 S289.1 | length 12.6
  Component Side w0.254: S289.1@-191.962,-5.08 S289.1@-191.962,0.64 -187.07,0.64 cw(c-187.07,-0.635) D289.1@-185.795,-0.635
NetD296_1: D296.1 S296.1 S296_1.1 S296_2.1 | length 41.3
  Component Side w0.254: D296.1@-140.417,37.465 -138.512,37.465 ccw(c-138.512,40.005) -135.972,40.005 S296_1.1@-135.972,44.33 ; S296.1@-124.937,38.465 ccw(c-124.937,38.74) S296.1@-124.662,38.74 S296.1@-124.662,33.02
  Component Side w3.18: S296.1@-124.662,33.02 S296_2.1@-122.363,33.02 ; S296.1@-124.662,38.74 S296_2.1@-122.363,38.74
  Bottom Layer w0.254: S296_1.1@-135.972,44.33 S296_1.1@-130.252,44.33 -130.252,41.28 ccw(c-127.712,41.28) -127.712,38.74 S296.1@-124.662,38.74
  Bottom Layer w3.18: S296.1@-124.662,33.02 S296_2.1@-122.383,33.02 ; S296.1@-124.641,38.74 S296_2.1@-122.363,38.74
NRST: C310.1 CON302.3 Q302.3 R303.2 U301.7 | length 31.6
  Component Side w0.254: Q302.3@-100.999,83.185 -100.626,83.037 -99.866,83.037 R303.2@-99.568,82.789 -99.27,83.062 -98.469,83.816 C310.1@-98.171,84.089 ; CON302.3@-99.695,86.233 -99.695,85.466 ccw(c-99.045,85.466) -99.045,84.816 -98.898,84.816 cw(c-98.898,84.089) C310.1@-98.171,84.089 ; v1(-96.139,83.185) ccw(c-97.043,83.185) -97.043,84.089 C310.1@-98.171,84.089 ; U301.7@-82.714,83.8 -81.092,82.178 -80.864,82.178 v1(-80.798,82.112)
  Bottom Layer w0.254: v1(-96.139,83.185) -95.286,83.185 cw(c-95.286,80.645) -93.49,82.441 -89.568,78.519 ccw(c-87.772,80.315) -87.772,77.775 -86.922,77.775 ccw(c-86.922,79.764) -85.726,78.174 -84.802,79.098 ccw(c-84.982,79.277) -84.728,79.277 -84.728,79.297 cw(c-82.422,79.297) -84.097,80.882 -83.826,81.155 cw(c-83.182,80.515) -83.782,81.196 cw(c-81.498,78.613) -82.311,81.964 ccw(c-82.561,82.011) -82.309,81.975 cw(c-81.688,81.888) -82.069,82.386 cw(c-81.688,81.888) -81.968,82.449 cw(c-81.688,81.888) -81.889,82.482 cw(c-81.688,81.888) -81.494,82.484 cw(c-81.688,81.888) -81.256,82.342 cw(c-81.688,81.888) -81.161,82.227 ccw(c-80.948,82.366) -80.949,82.112 v1(-80.798,82.112)